# KiCad board JBX16.kicad_pcb
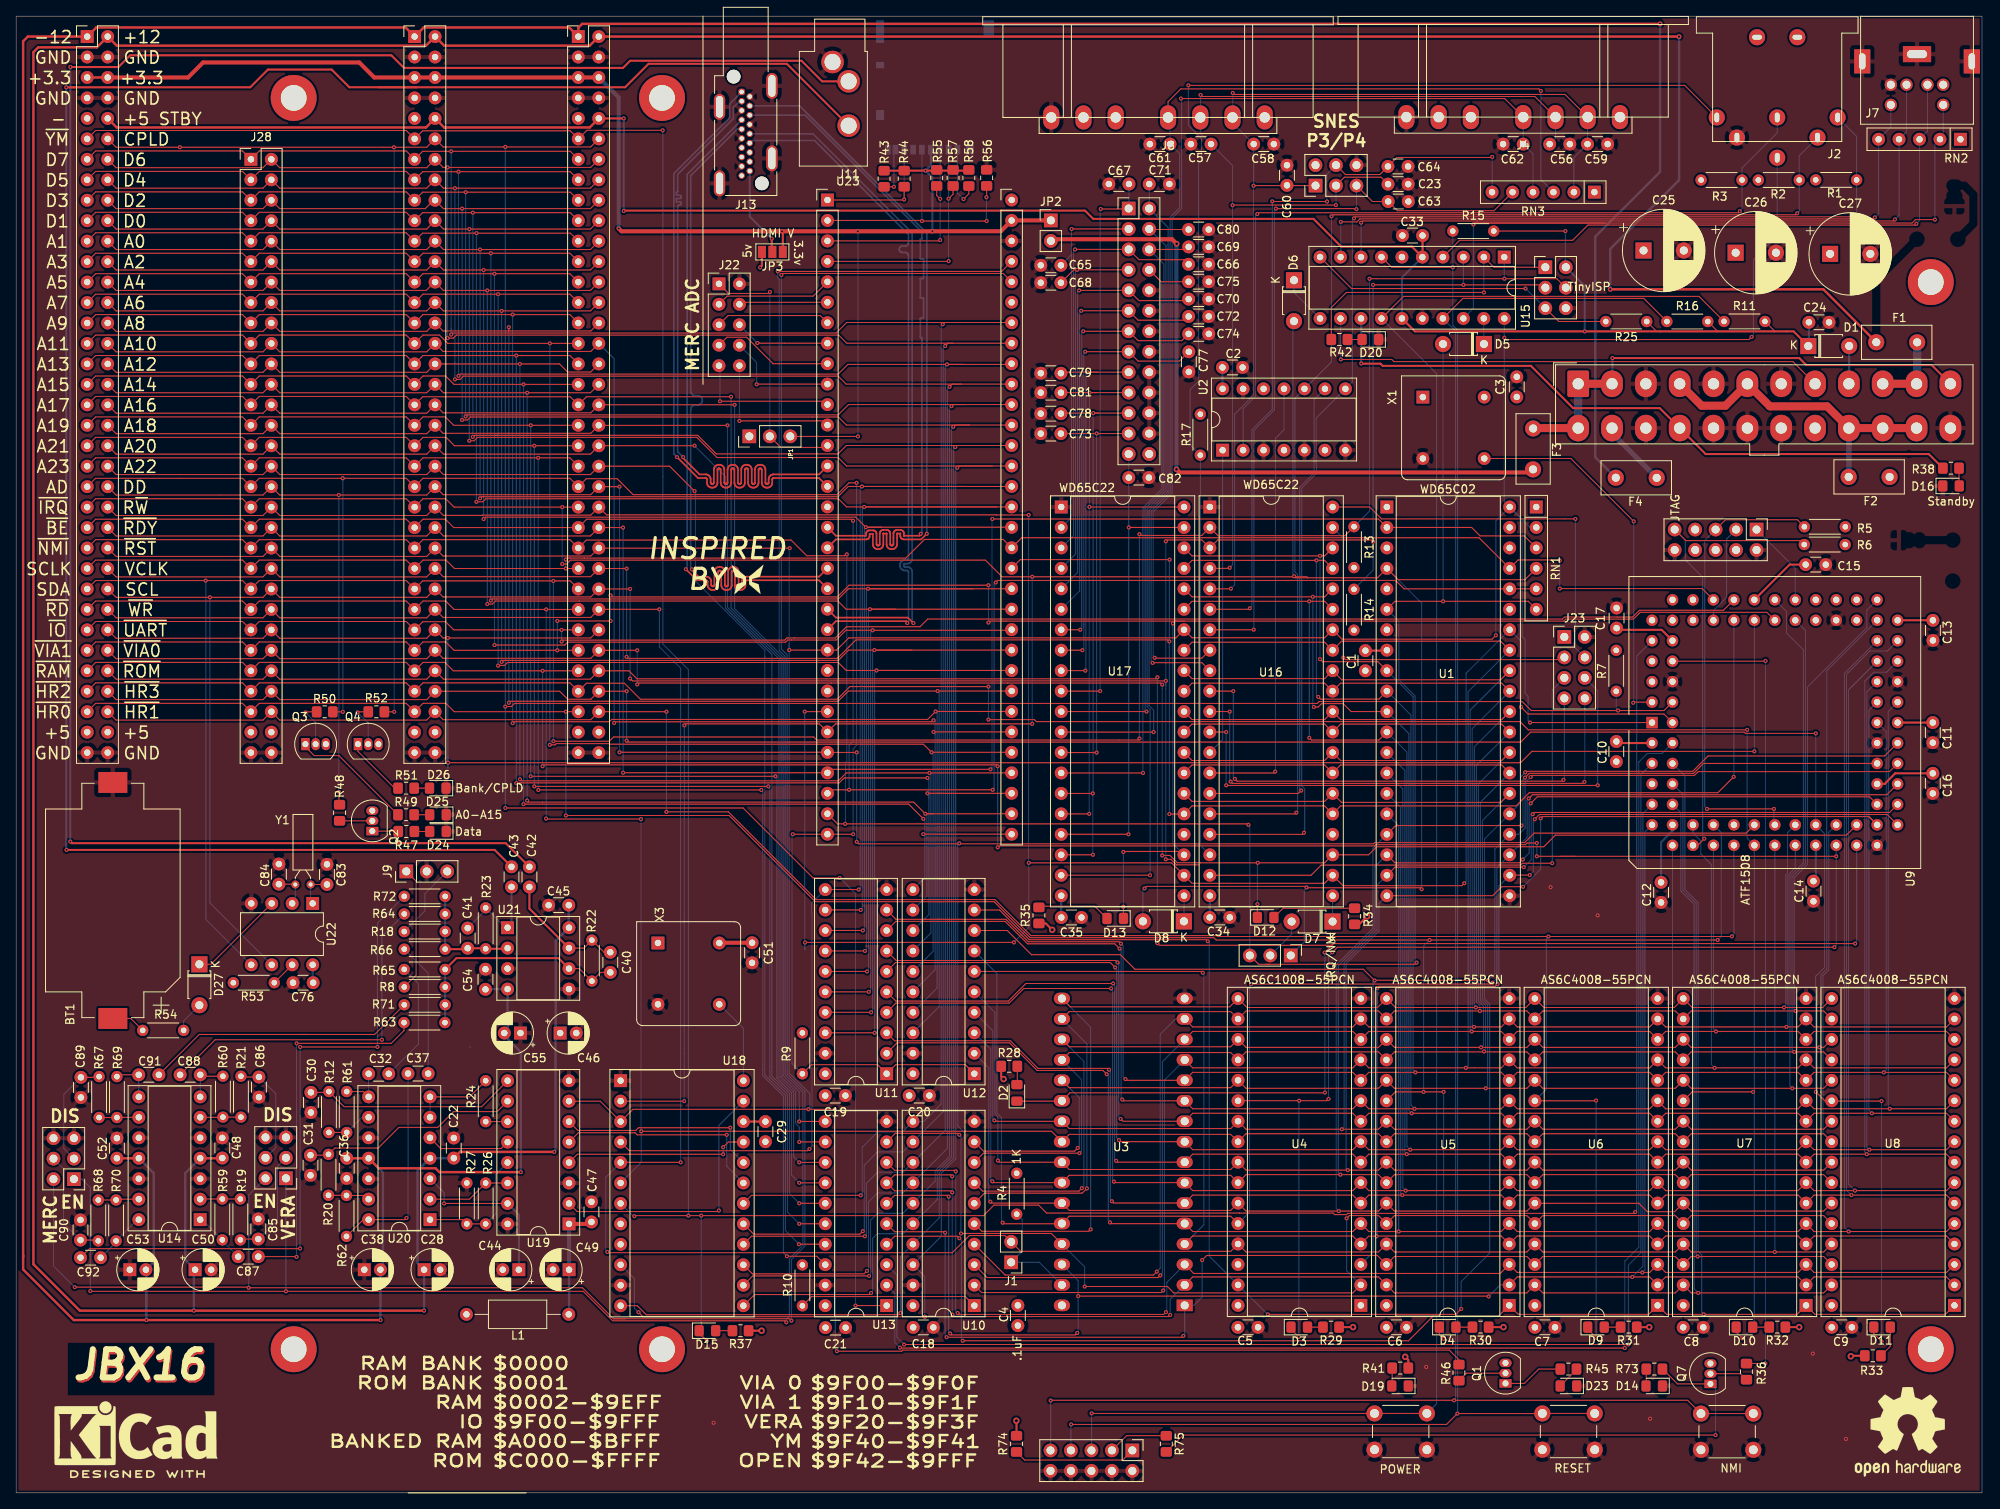
[diagram p0: board, top side]
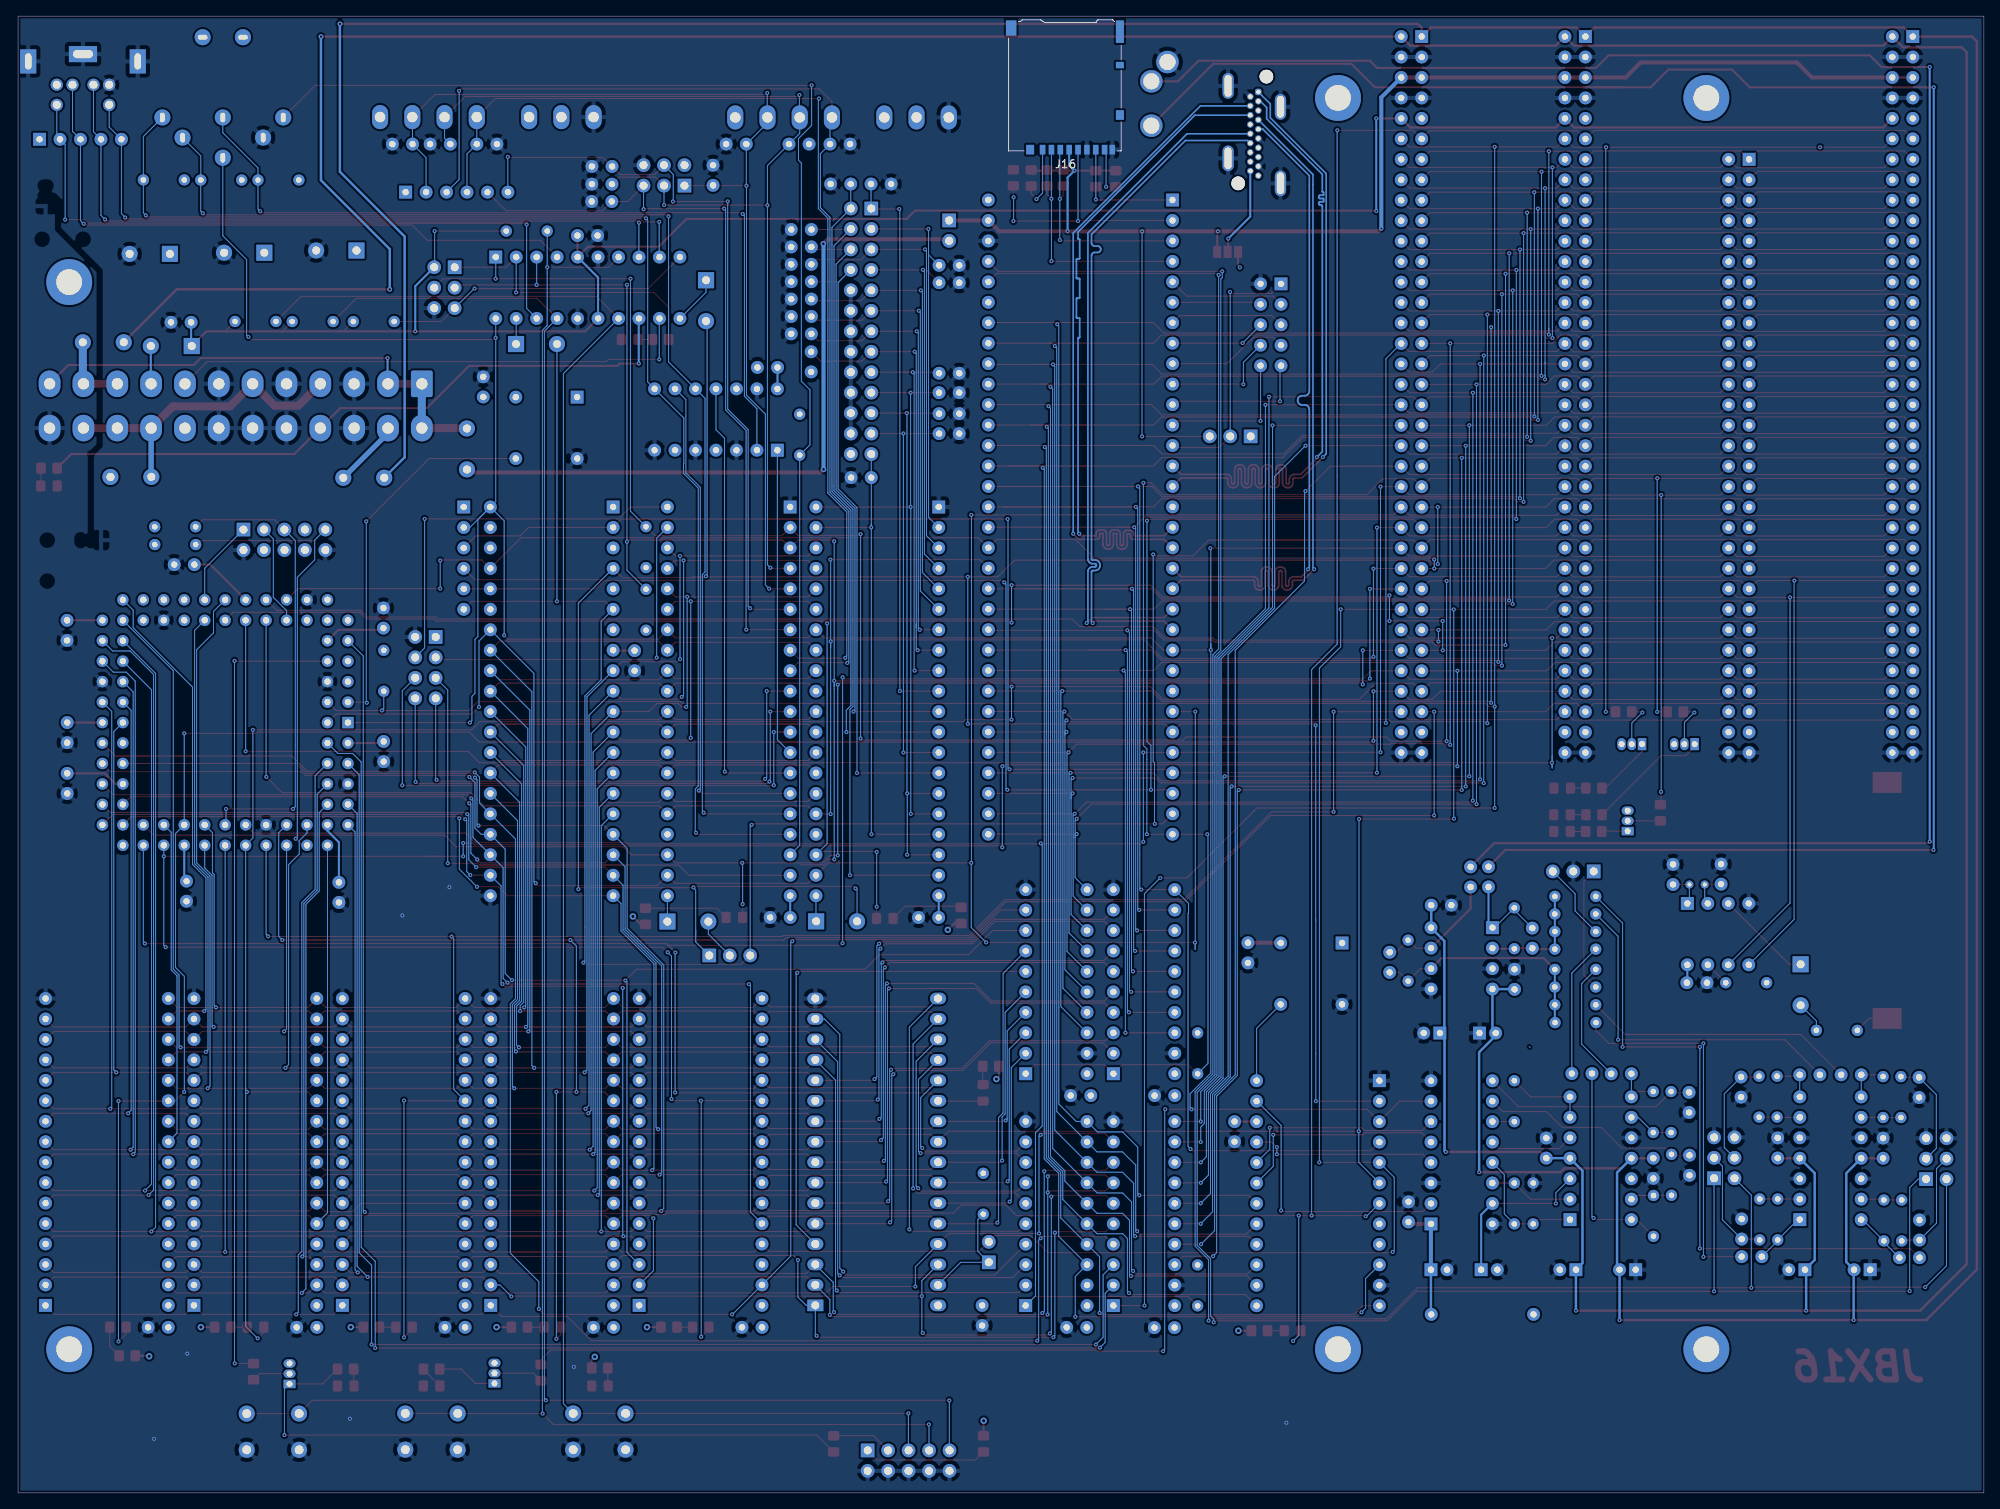
[diagram p1: board, bottom side, seen from below]

Outline 244 x 183.35 mm; copper layers: Top, In1.Cu, In2.Cu, Bottom (plane). Coordinates in mm from the lower left corner of the outline.
Outline path: 0,183.35 0,0 244,0 244,183.35 0,183.35

## Placement (name value [footprint] x y rotation side)
BT1  CR2032  [BatteryHolder_Keystone_1060_1x2032]  12 73.55 90 top
C1  .1uF  [C_Disc_D3.0mm_W1.6mm_P2.50mm]  167.47 104.57 270 top
C2  .1uF  [C_Disc_D3.0mm_W1.6mm_P2.50mm]  149.73 139.73 0 top
C3  .1uF  [C_Disc_D3.0mm_W1.6mm_P2.50mm]  186.26 136.06 90 top
C4  .1uF  [C_Disc_D3.0mm_W1.6mm_P2.50mm]  124.34 23.27 270 top
C5  .1uF  [C_Disc_D3.0mm_W1.6mm_P2.50mm]  151.65 20.55 0 top
C6  .1uF  [C_Disc_D3.0mm_W1.6mm_P2.50mm]  170.08 20.55 0 top
C7  .1uF  [C_Disc_D3.0mm_W1.6mm_P2.50mm]  188.51 20.55 0 top
C8  .1uF  [C_Disc_D3.0mm_W1.6mm_P2.50mm]  206.92 20.55 0 top
C9  .1uF  [C_Disc_D3.0mm_W1.6mm_P2.50mm]  225.35 20.55 0 top
C10  .1uF  [C_Disc_D3.0mm_W1.6mm_P2.50mm]  198.62 93.29 270 top
C11  .1uF  [C_Disc_D3.0mm_W1.6mm_P2.50mm]  237.9 95.64 270 top
C12  .1uF  [C_Disc_D3.0mm_W1.6mm_P2.50mm]  204.17 75.8 270 top
C13  .1uF  [C_Disc_D3.0mm_W1.6mm_P2.50mm]  237.92 108.33 270 top
C14  .1uF  [C_Disc_D3.0mm_W1.6mm_P2.50mm]  223.09 75.95 270 top
C15  .1uF  [C_Disc_D3.0mm_W1.6mm_P2.50mm]  222.12 115.25 0 top
C16  .1uF  [C_Disc_D3.0mm_W1.6mm_P2.50mm]  237.9 89.33 270 top
C17  .1uF  [C_Disc_D3.0mm_W1.6mm_P2.50mm]  198.65 107.36 90 top
C18  .1uF  [C_Disc_D3.0mm_W1.6mm_P2.50mm]  113.85 20.55 180 top
C19  .1uF  [C_Disc_D3.0mm_W1.6mm_P2.50mm]  102.93 49.32 180 top
C20  .1uF  [C_Disc_D3.0mm_W1.6mm_P2.50mm]  113.35 49.33 180 top
C21  .1uF  [C_Disc_D3.0mm_W1.6mm_P2.50mm]  102.96 20.52 180 top
C22  .1uF  [C_Disc_D3.0mm_W1.6mm_P2.50mm]  54.32 41.56 90 top
C23  330pF  [C_Disc_D3.0mm_W1.6mm_P2.50mm]  170.29 162.48 0 top
C24  .1uF  [C_Disc_D3.0mm_W1.6mm_P2.50mm]  222.52 145.33 0 top
C25  CP1  [CP_Radial_D10.0mm_P5.00mm]  202 154.25 0 top
C26  CP1  [CP_Radial_D10.0mm_P5.00mm]  213.43 153.97 0 top
C27  CP1  [CP_Radial_D10.0mm_P5.00mm]  225.15 153.83 0 top
C28  10uF  [CP_Radial_D5.0mm_P2.00mm]  50.64 27.71 0 top
C29  .1uF  [C_Disc_D3.0mm_W1.6mm_P2.50mm]  93 46.1 270 top
C30  3300pF  [C_Disc_D3.0mm_W1.6mm_P2.50mm]  36.59 49.73 270 top
C31  3300pF  [C_Disc_D3.0mm_W1.6mm_P2.50mm]  36.54 41.93 270 top
C32  1uF  [C_Disc_D3.0mm_W1.6mm_P2.50mm]  46.25 52.04 180 top
C33  .1uF  [C_Disc_D3.0mm_W1.6mm_P2.50mm]  172.07 156.1 0 top
C34  .1uF  [C_Disc_D3.0mm_W1.6mm_P2.50mm]  148.15 71.44 0 top
C35  .1uF  [C_Disc_D3.0mm_W1.6mm_P2.50mm]  129.73 71.44 0 top
C36  .1uF  [C_Disc_D3.0mm_W1.6mm_P2.50mm]  41.04 41.55 270 top
C37  1uF  [C_Disc_D3.0mm_W1.6mm_P2.50mm]  51.14 52.06 180 top
C38  10uF  [CP_Radial_D5.0mm_P2.00mm]  43.22 27.71 0 top
C40  1000pF  [C_Disc_D3.0mm_W1.6mm_P2.50mm]  73.75 67.12 270 top
C41  1000pF  [C_Disc_D3.0mm_W1.6mm_P2.50mm]  56.05 70.12 270 top
C42  1uF  [C_Disc_D3.0mm_W1.6mm_P2.50mm]  63.71 77.72 270 top
C43  1uF  [C_Disc_D3.0mm_W1.6mm_P2.50mm]  61.49 77.73 270 top
C44  10uF  [CP_Radial_D5.0mm_P2.00mm]  62.4 27.71 180 top
C45  .1uF  [C_Disc_D3.0mm_W1.6mm_P2.50mm]  68.59 72.97 180 top
C46  10uF  [CP_Radial_D5.0mm_P2.00mm]  67.53 57.09 0 top
C47  .1uF  [C_Disc_D3.0mm_W1.6mm_P2.50mm]  71.41 33.64 90 top
C48  .1uF  [C_Disc_D3.0mm_W1.6mm_P2.50mm]  25.59 41.57 90 top
C49  10uF  [CP_Radial_D5.0mm_P2.00mm]  68.64 27.71 180 top
C50  10uF  [CP_Radial_D5.0mm_P2.00mm]  22.21 27.71 0 top
C51  .1uF  [C_Disc_D3.0mm_W1.6mm_P2.50mm]  91.35 68.3 270 top
C52  .1uF  [C_Disc_D3.0mm_W1.6mm_P2.50mm]  12.51 41.55 90 top
C53  10uF  [CP_Radial_D5.0mm_P2.00mm]  14.11 27.71 0 top
C54  .1uF  [C_Disc_D3.0mm_W1.6mm_P2.50mm]  58.26 62.52 90 top
C55  10uF  [CP_Radial_D5.0mm_P2.00mm]  62.6 57.09 180 top
C56  330pF  [C_Disc_D3.0mm_W1.6mm_P2.50mm]  190.35 167.45 0 top
C57  330pF  [C_Disc_D3.0mm_W1.6mm_P2.50mm]  148.32 167.45 180 top
C58  330pF  [C_Disc_D3.0mm_W1.6mm_P2.50mm]  153.61 167.45 0 top
C59  330pF  [C_Disc_D3.0mm_W1.6mm_P2.50mm]  195.04 167.45 0 top
C60  330pF  [C_Disc_D3.0mm_W1.6mm_P2.50mm]  157.74 162.33 90 top
C61  330pF  [C_Disc_D3.0mm_W1.6mm_P2.50mm]  143.22 167.45 180 top
C62  330pF  [C_Disc_D3.0mm_W1.6mm_P2.50mm]  187.06 167.45 180 top
C63  330pF  [C_Disc_D3.0mm_W1.6mm_P2.50mm]  170.3 160.33 0 top
C64  330pF  [C_Disc_D3.0mm_W1.6mm_P2.50mm]  170.27 164.68 0 top
C65  330pF  [C_Disc_D3.0mm_W1.6mm_P2.50mm]  129.68 152.41 180 top
C66  330pF  [C_Disc_D3.0mm_W1.6mm_P2.50mm]  145.53 152.53 0 top
C67  330pF  [C_Disc_D3.0mm_W1.6mm_P2.50mm]  138.13 162.5 180 top
C68  330pF  [C_Disc_D3.0mm_W1.6mm_P2.50mm]  129.68 150.25 180 top
C69  330pF  [C_Disc_D3.0mm_W1.6mm_P2.50mm]  145.53 154.69 0 top
C70  330pF  [C_Disc_D3.0mm_W1.6mm_P2.50mm]  145.53 148.21 0 top
C71  330pF  [C_Disc_D3.0mm_W1.6mm_P2.50mm]  140.64 162.5 0 top
C72  330pF  [C_Disc_D3.0mm_W1.6mm_P2.50mm]  145.53 146.06 0 top
C73  330pF  [C_Disc_D3.0mm_W1.6mm_P2.50mm]  129.68 131.51 180 top
C74  330pF  [C_Disc_D3.0mm_W1.6mm_P2.50mm]  145.53 143.9 0 top
C75  330pF  [C_Disc_D3.0mm_W1.6mm_P2.50mm]  145.53 150.37 0 top
C76  .1uF  [C_Disc_D3.0mm_W1.6mm_P2.50mm]  36.87 63.34 180 top
C77  330pF  [C_Disc_D3.0mm_W1.6mm_P2.50mm]  145.56 141.67 270 top
C78  330pF  [C_Disc_D3.0mm_W1.6mm_P2.50mm]  129.68 133.99 180 top
C79  330pF  [C_Disc_D3.0mm_W1.6mm_P2.50mm]  129.68 139.01 180 top
C80  330pF  [C_Disc_D3.0mm_W1.6mm_P2.50mm]  145.53 156.85 0 top
C81  330pF  [C_Disc_D3.0mm_W1.6mm_P2.50mm]  129.68 136.59 180 top
C82  330pF  [C_Disc_D3.0mm_W1.6mm_P2.50mm]  138.1 126.05 0 top
C83  9pF  [C_Disc_D3.0mm_W1.6mm_P2.50mm]  38.58 78.03 270 top
C84  9pF  [C_Disc_D3.0mm_W1.6mm_P2.50mm]  32.62 78.07 270 top
C85  2700pF  [C_Disc_D3.0mm_W1.6mm_P2.50mm]  30.06 31.51 90 top
C86  2700pF  [C_Disc_D3.0mm_W1.6mm_P2.50mm]  30.14 51.63 270 top
C87  1uF  [C_Disc_D3.0mm_W1.6mm_P2.50mm]  30.06 29.33 180 top
C88  1uF  [C_Disc_D3.0mm_W1.6mm_P2.50mm]  20.36 51.91 0 top
C89  3300pF  [C_Disc_D3.0mm_W1.6mm_P2.50mm]  8.04 51.59 270 top
C90  3300pF  [C_Disc_D3.0mm_W1.6mm_P2.50mm]  7.99 31.39 90 top
C91  1uF  [C_Disc_D3.0mm_W1.6mm_P2.50mm]  17.72 51.91 180 top
C92  1uF  [C_Disc_D3.0mm_W1.6mm_P2.50mm]  7.99 29.2 0 top
D1  1N4148  [D_T-1_P5.08mm_Horizontal]  222.44 142.39 0 top
D2  BLUE  [LED_0805_2012Metric_Pad1.15x1.40mm_HandSolder]  124.22 49.66 90 top
D3  BLUE  [LED_0805_2012Metric_Pad1.15x1.40mm_HandSolder]  159.26 20.58 0 top
D4  BLUE  [LED_0805_2012Metric_Pad1.15x1.40mm_HandSolder]  177.68 20.58 0 top
D5  1N4148  [D_T-1_P5.08mm_Horizontal]  182.19 142.63 180 top
D6  1N4148  [D_T-1_P5.08mm_Horizontal]  158.61 150.55 270 top
D7  1N4148  [D_T-1_P5.08mm_Horizontal]  163.4 70.94 180 top
D8  1N4148  [D_T-1_P5.08mm_Horizontal]  144.94 70.96 180 top
D9  BLUE  [LED_0805_2012Metric_Pad1.15x1.40mm_HandSolder]  196.09 20.58 0 top
D10  BLUE  [LED_0805_2012Metric_Pad1.15x1.40mm_HandSolder]  214.52 20.58 0 top
D11  BLUE  [LED_0805_2012Metric_Pad1.15x1.40mm_HandSolder]  231.6 20.58 0 top
D12  BLUE  [LED_0805_2012Metric_Pad1.15x1.40mm_HandSolder]  155.09 71.44 0 top
D13  BLUE  [LED_0805_2012Metric_Pad1.15x1.40mm_HandSolder]  136.42 71.32 180 top
D14  BLUE  [LED_0805_2012Metric_Pad1.15x1.40mm_HandSolder]  203.33 13.28 180 top
D15  BLUE  [LED_0805_2012Metric_Pad1.15x1.40mm_HandSolder]  85.8 20.13 0 top
D16  AMBER  [LED_0805_2012Metric_Pad1.15x1.40mm_HandSolder]  240.16 125.01 0 top
D19  GREEN  [LED_0805_2012Metric_Pad1.15x1.40mm_HandSolder]  171.77 13.28 180 top
D20  BLUE  [LED_0805_2012Metric_Pad1.15x1.40mm_HandSolder]  168.09 143.2 180 top
D23  RED  [LED_0805_2012Metric_Pad1.15x1.40mm_HandSolder]  192.67 13.28 180 top
D24  GREEN  [LED_0805_2012Metric_Pad1.15x1.40mm_HandSolder]  52.36 82.11 180 top
D25  GREEN  [LED_0805_2012Metric_Pad1.15x1.40mm_HandSolder]  52.36 84.19 180 top
D26  GREEN  [LED_0805_2012Metric_Pad1.15x1.40mm_HandSolder]  52.33 87.5 180 top
D27  1N4148  [D_T-1_P5.08mm_Horizontal]  22.75 65.63 270 top
F1  RUSBF185-AP  [Fuse_Littelfuse_395Series]  235.96 142.85 180 top
F2  RUSBF185-AP  [Fuse_Littelfuse_395Series]  227.46 126.14 0 top
F3  RUSBF185-AP  [Fuse_Littelfuse_395Series]  188.29 132.15 270 top
F4  RUSBF185-AP  [Fuse_Littelfuse_395Series]  203.63 126.02 180 top
G***  LOGO  [x16logo]  88.28 115.97 0 top
H1  H  [MountingHole_3.2mm_M3_ISO7380_Pad]  34.45 173.19 0 top
H2  H  [MountingHole_3.2mm_M3_ISO7380_Pad]  80.17 173.19 0 top
H3  H  [MountingHole_3.2mm_M3_ISO7380_Pad]  237.65 150.33 0 top
H4  H  [MountingHole_3.2mm_M3_ISO7380_Pad]  34.45 17.84 0 top
H5  H  [MountingHole_3.2mm_M3_ISO7380_Pad]  80.17 17.84 0 top
H6  H  [MountingHole_3.2mm_M3_ISO7380_Pad]  237.65 17.84 0 top
J1  ROMWR  [PinHeader_1x02_P2.54mm_Vertical]  123.5 28.63 180 top
J2  DIN-6  [DIN-6-IEC]  218.59 183.26 180 top
J3  JTAG  [PinHeader_2x05_P2.54mm_Vertical]  216.02 119.6 270 top
J4  SNES P1  [SNES]  199.06 170.81 180 top
J5  TinyISP  [PinHeader_2x03_P2.54mm_Vertical]  189.81 152.17 0 top
J6  IRQ/NMI  [PinHeader_1x03_P2.54mm_Vertical]  158.21 66.72 270 top
J7  Keyboard/Mouse  [MD-60SM]  235.94 174.83 180 top
J8  SNES P2  [SNES]  154.98 170.77 180 top
J9  AuxIn  [PinHeader_1x03_P2.54mm_Vertical]  48.43 77.16 90 top
J10  MercAudioEn  [PinHeader_2x03_P2.54mm_Vertical]  7.18 38.96 180 top
J11  AudioOut  [Jack_3.5mm_CUI_SJ1-3533NG_Horizontal_CircularHoles]  101.34 177.65 0 top
J12  Conn_02x36_Odd_Even  [PinSocket_2x36_P2.54mm_Vertical]  52 180.81 0 top
J13  HDMI_A_1.4  [HDMI_A_Kycon_KDMIX-SL1-NS-WS-B15_VerticalRightAngle]  90.06 173.93 180 top
J14  VeraAudioEn  [PinHeader_2x03_P2.54mm_Vertical]  33.49 39.06 180 top
J15  frontPannel  [PinHeader_2x05_P2.54mm_Vertical]  138.55 5.28 270 top
J16  Micro_SD_Card  [microSD_HC_Hirose_DM3AT-SF-PEJM5]  114.06 174.49 0 bottom
J17  User Port  [PinHeader_2x13_P2.54mm_Vertical]  138.09 159.46 0 top
J18  SNES P3/P4  [PinHeader_2x03_P2.54mm_Vertical]  161.28 162.3 90 top
J19  ATX-24  [Molex_Mini-Fit_Jr_5566-24A_2x12_P4.20mm_Vertical]  193.88 137.7 0 top
J20  Conn_02x36_Odd_Even  [PinSocket_2x36_P2.54mm_Vertical#2]  8.83 180.81 0 top
J21  Conn_02x36_Odd_Even  [PinSocket_2x36_P2.54mm_Vertical]  72.32 180.81 0 top
J22  Conn_02x05_Odd_Even  [PinHeader_2x05_P2.54mm_Vertical#2]  87.24 150.11 0 top
J23  Conn_02x04_Odd_Even  [PinHeader_2x04_P2.54mm_Vertical]  192.17 106.27 0 top
J28  Conn_02x30_Odd_Even  [PinSocket_2x30_P2.54mm_Vertical]  29.14 165.57 0 top
JP1  ADC_VREF  [PinHeader_1x03_P2.54mm_Vertical]  91.01 131.17 90 top
JP2  PSU_3.3V  [PinHeader_1x02_P2.54mm_Vertical]  128.43 157.98 0 top
JP3  VSEL  [SolderJumper-3_P1.3mm_Open_Pad1.0x1.5mm_NumberLabels]  93.87 154.07 180 top
L1  820uh  [L_Axial_L7.0mm_D3.3mm_P12.70mm_Horizontal_Fastron_MICC]  55.89 22.17 0 top
Q1  BS250  [TO-92_Inline]  184.86 13.59 90 top
Q2  BC327  [TO-92_Inline]  44.21 82.16 90 top
Q3  BC327  [TO-92_Inline]  35.9 92.96 0 top
Q4  BC327  [TO-92_Inline]  42.43 92.96 0 top
Q7  BS250  [TO-92_Inline]  210.3 13.53 90 top
R1  1K  [R_Axial_DIN0204_L3.6mm_D1.6mm_P5.08mm_Horizontal]  223.37 163.01 0 top
R2  1K  [R_Axial_DIN0204_L3.6mm_D1.6mm_P5.08mm_Horizontal]  216.24 162.99 0 top
R3  1K  [R_Axial_DIN0204_L3.6mm_D1.6mm_P5.08mm_Horizontal]  209.14 162.99 0 top
R4  1K  [R_Axial_DIN0204_L3.6mm_D1.6mm_P5.08mm_Horizontal]  124.2 39.68 270 top
R5  10K  [R_Axial_DIN0204_L3.6mm_D1.6mm_P5.08mm_Horizontal]  227.04 119.95 180 top
R6  10K  [R_Axial_DIN0204_L3.6mm_D1.6mm_P5.08mm_Horizontal]  227.03 117.74 180 top
R7  1K  [R_Axial_DIN0204_L3.6mm_D1.6mm_P5.08mm_Horizontal]  198.61 104.61 270 top
R8  10K  [R_Axial_DIN0204_L3.6mm_D1.6mm_P5.08mm_Horizontal]  53.25 62.81 180 top
R9  1K  [R_Axial_DIN0204_L3.6mm_D1.6mm_P5.08mm_Horizontal]  97.59 57.11 270 top
R10  1K  [R_Axial_DIN0204_L3.6mm_D1.6mm_P5.08mm_Horizontal]  97.59 28.3 270 top
R11  10K  [R_Axial_DIN0204_L3.6mm_D1.6mm_P5.08mm_Horizontal]  211.99 145.44 0 top
R12  40K  [R_Axial_DIN0204_L3.6mm_D1.6mm_P5.08mm_Horizontal]  38.83 44.75 90 top
R13  4.7K  [R_Axial_DIN0204_L3.6mm_D1.6mm_P5.08mm_Horizontal]  166.05 119.96 270 top
R14  4.7K  [R_Axial_DIN0204_L3.6mm_D1.6mm_P5.08mm_Horizontal]  166.05 112.18 270 top
R15  10K  [R_Axial_DIN0204_L3.6mm_D1.6mm_P5.08mm_Horizontal]  178.32 156.66 0 top
R16  10K  [R_Axial_DIN0204_L3.6mm_D1.6mm_P5.08mm_Horizontal]  204.89 145.43 0 top
R17  4.7K  [R_Axial_DIN0204_L3.6mm_D1.6mm_P5.08mm_Horizontal]  146.98 133.92 270 top
R18  10K  [R_Axial_DIN0204_L3.6mm_D1.6mm_P5.08mm_Horizontal]  53.25 69.69 180 top
R19  10K  [R_Axial_DIN0204_L3.6mm_D1.6mm_P5.08mm_Horizontal]  27.83 36.49 270 top
R20  40K  [R_Axial_DIN0204_L3.6mm_D1.6mm_P5.08mm_Horizontal]  38.78 36.95 90 top
R21  10K  [R_Axial_DIN0204_L3.6mm_D1.6mm_P5.08mm_Horizontal]  27.9 46.65 90 top
R22  10K  [R_Axial_DIN0204_L3.6mm_D1.6mm_P5.08mm_Horizontal]  71.46 68.62 270 top
R23  10K  [R_Axial_DIN0204_L3.6mm_D1.6mm_P5.08mm_Horizontal]  58.28 72.64 270 top
R24  100  [R_Axial_DIN0204_L3.6mm_D1.6mm_P5.08mm_Horizontal]  58.28 51.17 270 top
R25  1K  [R_Axial_DIN0204_L3.6mm_D1.6mm_P5.08mm_Horizontal]  202.39 145.43 180 top
R26  DNI  [R_Axial_DIN0204_L3.6mm_D1.6mm_P5.08mm_Horizontal]  58.28 33.39 90 top
R27  DNI  [R_Axial_DIN0204_L3.6mm_D1.6mm_P5.08mm_Horizontal]  55.95 33.39 90 top
R28  1K  [R_0805_2012Metric_Pad1.20x1.40mm_HandSolder]  123.27 52.96 0 top
R29  1K  [R_0805_2012Metric_Pad1.20x1.40mm_HandSolder]  163.21 20.58 180 top
R30  1K  [R_0805_2012Metric_Pad1.20x1.40mm_HandSolder]  181.77 20.58 180 top
R31  1K  [R_0805_2012Metric_Pad1.20x1.40mm_HandSolder]  200.15 20.58 180 top
R32  1K  [R_0805_2012Metric_Pad1.20x1.40mm_HandSolder]  218.6 20.58 180 top
R33  1K  [R_0805_2012Metric_Pad1.20x1.40mm_HandSolder]  230.46 17.02 0 top
R34  1K  [R_0805_2012Metric_Pad1.20x1.40mm_HandSolder]  166.13 71.59 90 top
R35  1K  [R_0805_2012Metric_Pad1.20x1.40mm_HandSolder]  126.95 71.7 90 top
R36  1K  [R_0805_2012Metric_Pad1.20x1.40mm_HandSolder]  214.77 15.06 90 top
R37  1K  [R_0805_2012Metric_Pad1.20x1.40mm_HandSolder]  89.91 20.13 180 top
R38  1K  [R_0805_2012Metric_Pad1.20x1.40mm_HandSolder]  240.16 127.22 0 top
R41  1K  [R_0805_2012Metric_Pad1.20x1.40mm_HandSolder]  171.8 15.5 180 top
R42  1K  [R_0805_2012Metric_Pad1.20x1.40mm_HandSolder]  164.24 143.2 0 top
R43  47K  [R_0805_2012Metric_Pad1.20x1.40mm_HandSolder]  107.74 163.15 270 top
R44  47K  [R_0805_2012Metric_Pad1.20x1.40mm_HandSolder]  110.23 163.16 270 top
R45  1K  [R_0805_2012Metric_Pad1.20x1.40mm_HandSolder]  192.67 15.37 180 top
R46  1K  [R_0805_2012Metric_Pad1.20x1.40mm_HandSolder]  179.08 14.93 270 top
R47  1K  [R_0805_2012Metric_Pad1.20x1.40mm_HandSolder]  48.43 82.11 180 top
R48  1K  [R_0805_2012Metric_Pad1.20x1.40mm_HandSolder]  40.15 84.44 270 top
R49  1K  [R_0805_2012Metric_Pad1.20x1.40mm_HandSolder]  48.4 84.19 180 top
R50  1K  [R_0805_2012Metric_Pad1.20x1.40mm_HandSolder]  38.31 96.97 180 top
R51  1K  [R_0805_2012Metric_Pad1.20x1.40mm_HandSolder]  48.4 87.5 180 top
R52  1K  [R_0805_2012Metric_Pad1.20x1.40mm_HandSolder]  44.71 96.97 180 top
R53  1K  [R_Axial_DIN0204_L3.6mm_D1.6mm_P5.08mm_Horizontal]  32.04 63.34 180 top
R54  1K  [R_Axial_DIN0204_L3.6mm_D1.6mm_P5.08mm_Horizontal]  20.79 57.42 180 top
R55  47K  [R_0805_2012Metric_Pad1.20x1.40mm_HandSolder]  114.26 163.25 270 top
R56  47K  [R_0805_2012Metric_Pad1.20x1.40mm_HandSolder]  120.46 163.26 90 top
R57  47K  [R_0805_2012Metric_Pad1.20x1.40mm_HandSolder]  116.3 163.25 270 top
R58  47K  [R_0805_2012Metric_Pad1.20x1.40mm_HandSolder]  118.25 163.25 270 top
R59  10K  [R_Axial_DIN0204_L3.6mm_D1.6mm_P5.08mm_Horizontal]  25.59 31.41 90 top
R60  10K  [R_Axial_DIN0204_L3.6mm_D1.6mm_P5.08mm_Horizontal]  25.67 51.73 270 top
R61  10K  [R_Axial_DIN0204_L3.6mm_D1.6mm_P5.08mm_Horizontal]  41.04 49.83 270 top
R62  10K  [R_Axial_DIN0204_L3.6mm_D1.6mm_P5.08mm_Horizontal]  41.01 31.84 90 top
R63  10K  [R_Axial_DIN0204_L3.6mm_D1.6mm_P5.08mm_Horizontal]  53.23 58.39 180 top
R64  10K  [R_Axial_DIN0204_L3.6mm_D1.6mm_P5.08mm_Horizontal]  53.25 71.87 180 top
R65  10K  [R_Axial_DIN0204_L3.6mm_D1.6mm_P5.08mm_Horizontal]  53.25 64.99 180 top
R66  10K  [R_Axial_DIN0204_L3.6mm_D1.6mm_P5.08mm_Horizontal]  53.25 67.51 180 top
R67  23K  [R_Axial_DIN0204_L3.6mm_D1.6mm_P5.08mm_Horizontal]  10.3 46.6 90 top
R68  23K  [R_Axial_DIN0204_L3.6mm_D1.6mm_P5.08mm_Horizontal]  10.2 36.37 270 top
R69  10K  [R_Axial_DIN0204_L3.6mm_D1.6mm_P5.08mm_Horizontal]  12.51 51.68 270 top
R70  10K  [R_Axial_DIN0204_L3.6mm_D1.6mm_P5.08mm_Horizontal]  12.41 31.29 90 top
R71  10K  [R_Axial_DIN0204_L3.6mm_D1.6mm_P5.08mm_Horizontal]  53.25 60.6 180 top
R72  10K  [R_Axial_DIN0204_L3.6mm_D1.6mm_P5.08mm_Horizontal]  53.25 74.06 180 top
R73  1K  [R_0805_2012Metric_Pad1.20x1.40mm_HandSolder]  203.34 15.37 180 top
R74  1K  [R_0805_2012Metric_Pad1.20x1.40mm_HandSolder]  124.17 6.09 90 top
R75  1K  [R_0805_2012Metric_Pad1.20x1.40mm_HandSolder]  142.76 6.09 270 top
REF**  -  [KiCad-Logo2_8mm_SilkScreen]  14.87 7.44 0 top
REF**#2  -  [OSHW-Logo2_14.6x12mm_SilkScreen]  234.79 7.59 0 top
RN1  4.7K  [R_Array_SIP6]  188.68 122.4 270 top
RN2  4.7K  [R_Array_SIP5]  241.33 168.05 180 top
RN3  4.7K  [R_Array_SIP6]  195.89 161.49 180 top
SW1  POWER  [SW_PUSH_6mm]  168.6 9.87 0 top
SW2  RESET  [SW_PUSH_6mm]  189.44 9.87 0 top
SW3  NMI  [SW_PUSH_6mm]  209.12 9.85 0 top
U1  WD65C02  [DIP-40_W15.24mm_Socket]  170.14 122.4 0 top
U2  SN7406  [DIP-14_W7.62mm_Socket]  149.75 129.45 90 top
U3  SST39SF040  [DIP_Socket-32_W11.9_W12.7_W15.24_W17.78_W18.5_3M_232-1285-00-0602J]  145.04 23.28 180 top
U4  AS6C1008-55PCN  [DIP-32_W15.24mm_Socket]  166.91 23.28 180 top
U5  AS6C4008-55PCN  [DIP-32_W15.24mm_Socket]  185.33 23.28 180 top
U6  AS6C4008-55PCN  [DIP-32_W15.24mm_Socket]  203.75 23.28 180 top
U7  AS6C4008-55PCN  [DIP-32_W15.24mm_Socket]  222.17 23.28 180 top
U8  AS6C4008-55PCN  [DIP-32_W15.24mm_Socket]  240.59 23.28 180 top
U9  ATF1508  [PLCC-84_THT-Socket]  203.05 95.64 90 top
U10  74HC245  [DIP-20_W7.62mm_Socket]  118.93 23.25 180 top
U11  74HC245  [DIP-20_W7.62mm_Socket]  108.05 52.04 180 top
U12  74HC245  [DIP-20_W7.62mm_Socket]  118.93 52.04 180 top
U13  74HC245  [DIP-20_W7.62mm_Socket]  108.05 23.25 180 top
U14  TL074  [DIP-14_W7.62mm_Socket]  22.85 33.93 180 top
U15  ATtiny861-20PU  [DIP-20_W7.62mm_Socket]  184.71 153.43 270 top
U16  WD65C22  [DIP-40_W15.24mm_Socket]  148.16 122.4 0 top
U17  WD65C22  [DIP-40_W15.24mm_Socket]  129.72 122.4 0 top
U18  YM2151  [DIP-24_W15.24mm_Socket]  75.03 51.18 0 top
U19  YM3012  [DIP-16_W7.62mm_Socket]  68.63 33.39 180 top
U20  TL074  [DIP-14_W7.62mm_Socket]  51.37 33.93 180 top
U21  TL072  [DIP-8_W7.62mm_Socket]  61 70.17 0 top
U22  MCP7940N-xP  [DIP-8_W7.62mm]  36.81 73.18 270 top
U23  MercuryII-FPGA  [MercuryII_FPGA]  100.71 160.52 0 top
X1  16mhz  [Oscillator_DIP-8]  174.6 136.04 270 top
X3  3.579545MHz  [Oscillator_DIP-8]  79.66 68.27 270 top
Y1  32.768KHz  [Crystal_C26-LF_D2.1mm_L6.5mm_Horizontal]  36.55 75.53 180 top

## Library data of the parts
JP3 = -: Field4: 3; Field5: 1
